# Altium PCB Печатная плата 466250_004.PcbDoc
Units mm, origin at the board's own origin, x right, y up, seen from the top; angles counter-clockwise.
Board outline 42 x 31 mm, 2 copper layers (Top Layer, Bottom Layer), stack 1.571 mm thick; 33 components, 43 nets, 205 pads, 23 vias.
Unrouted connection lines stored in the file: 6.
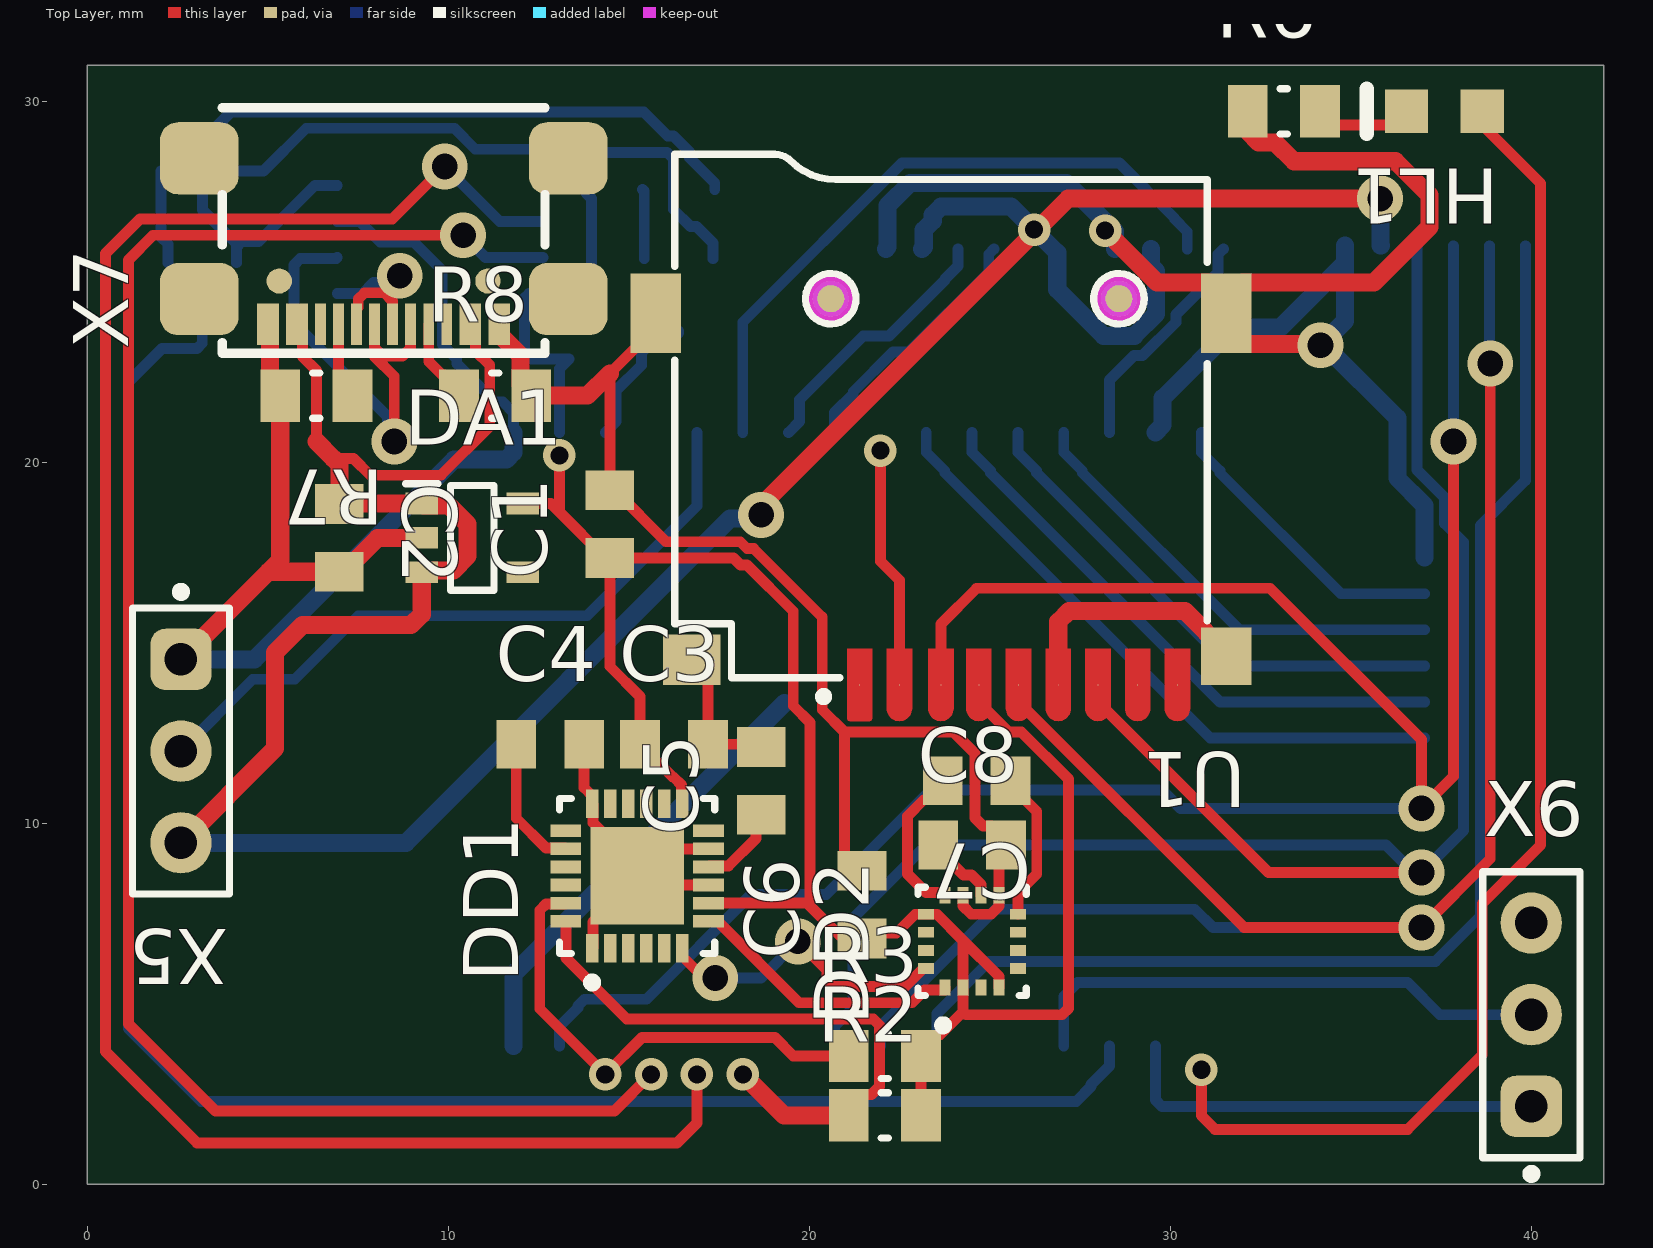
[diagram p0: Top Layer view]
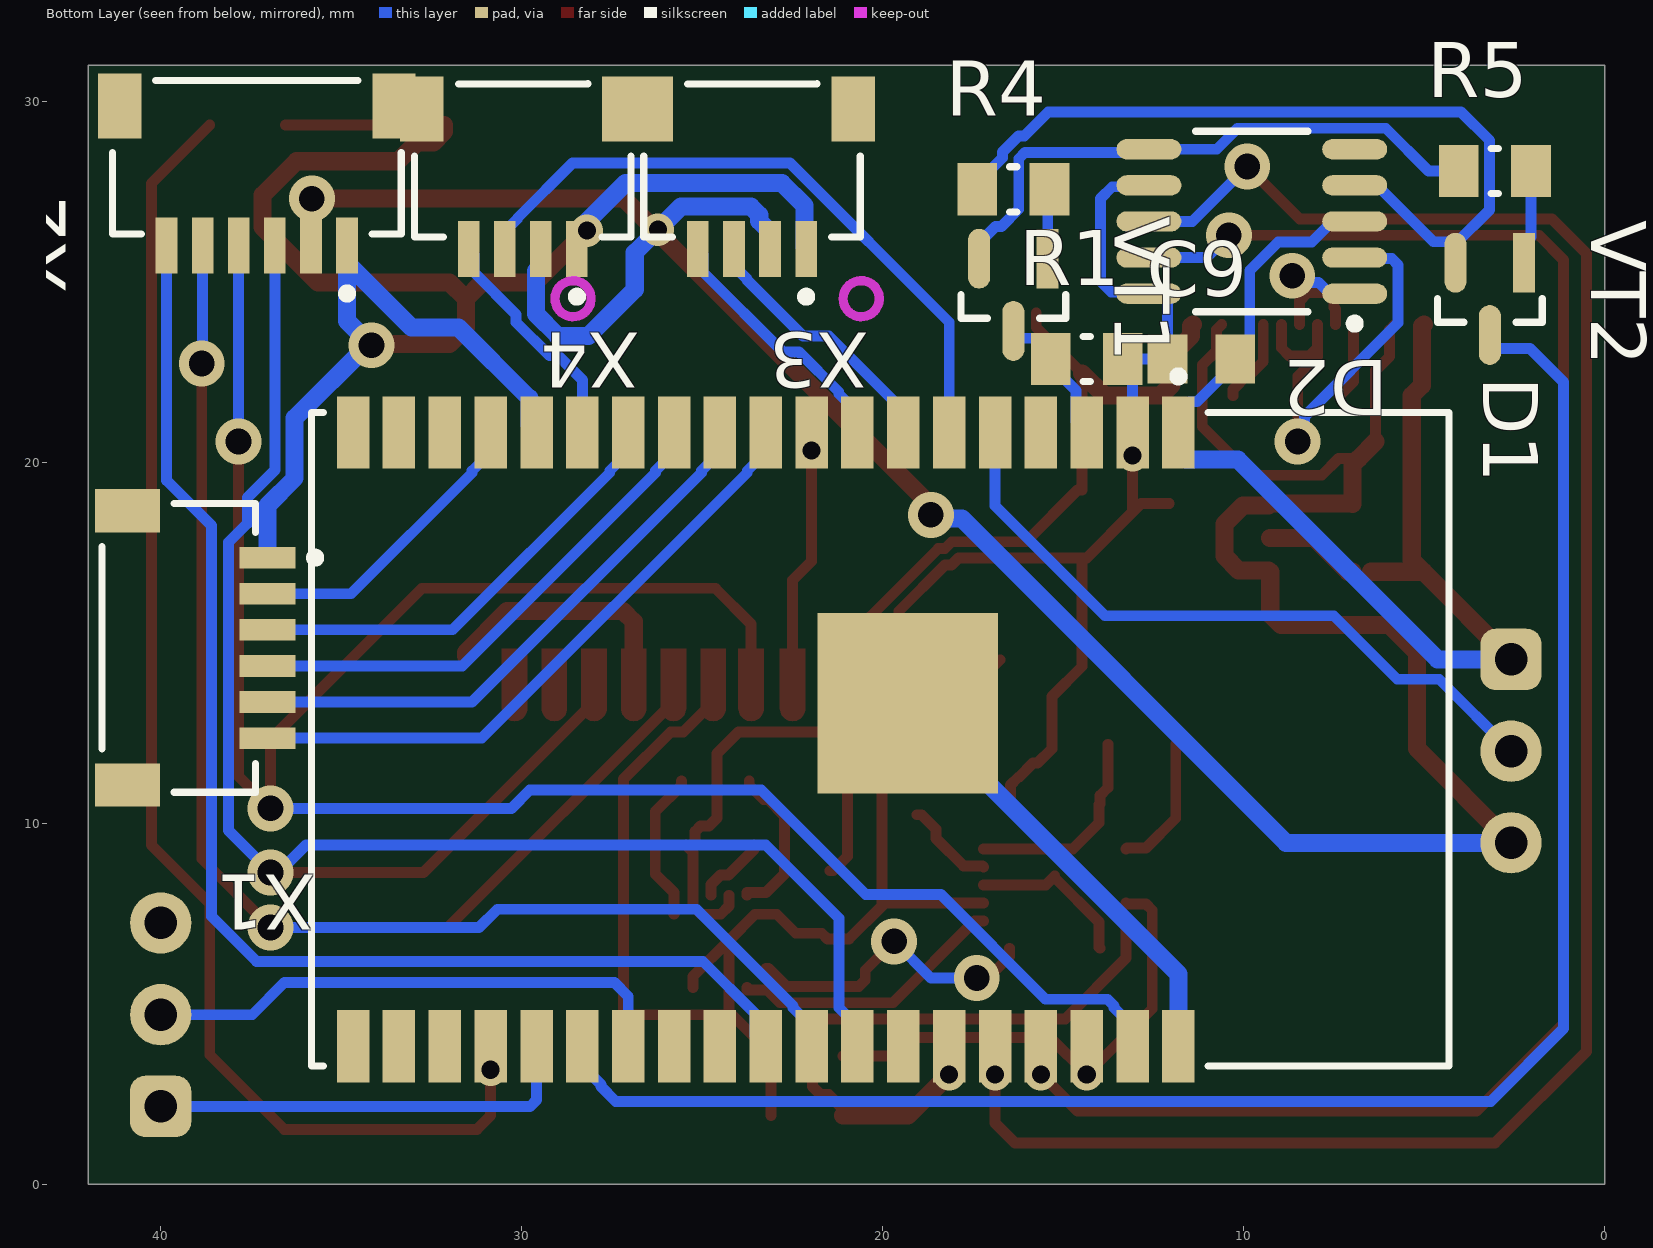
[diagram p1: Bottom Layer view, seen from below]
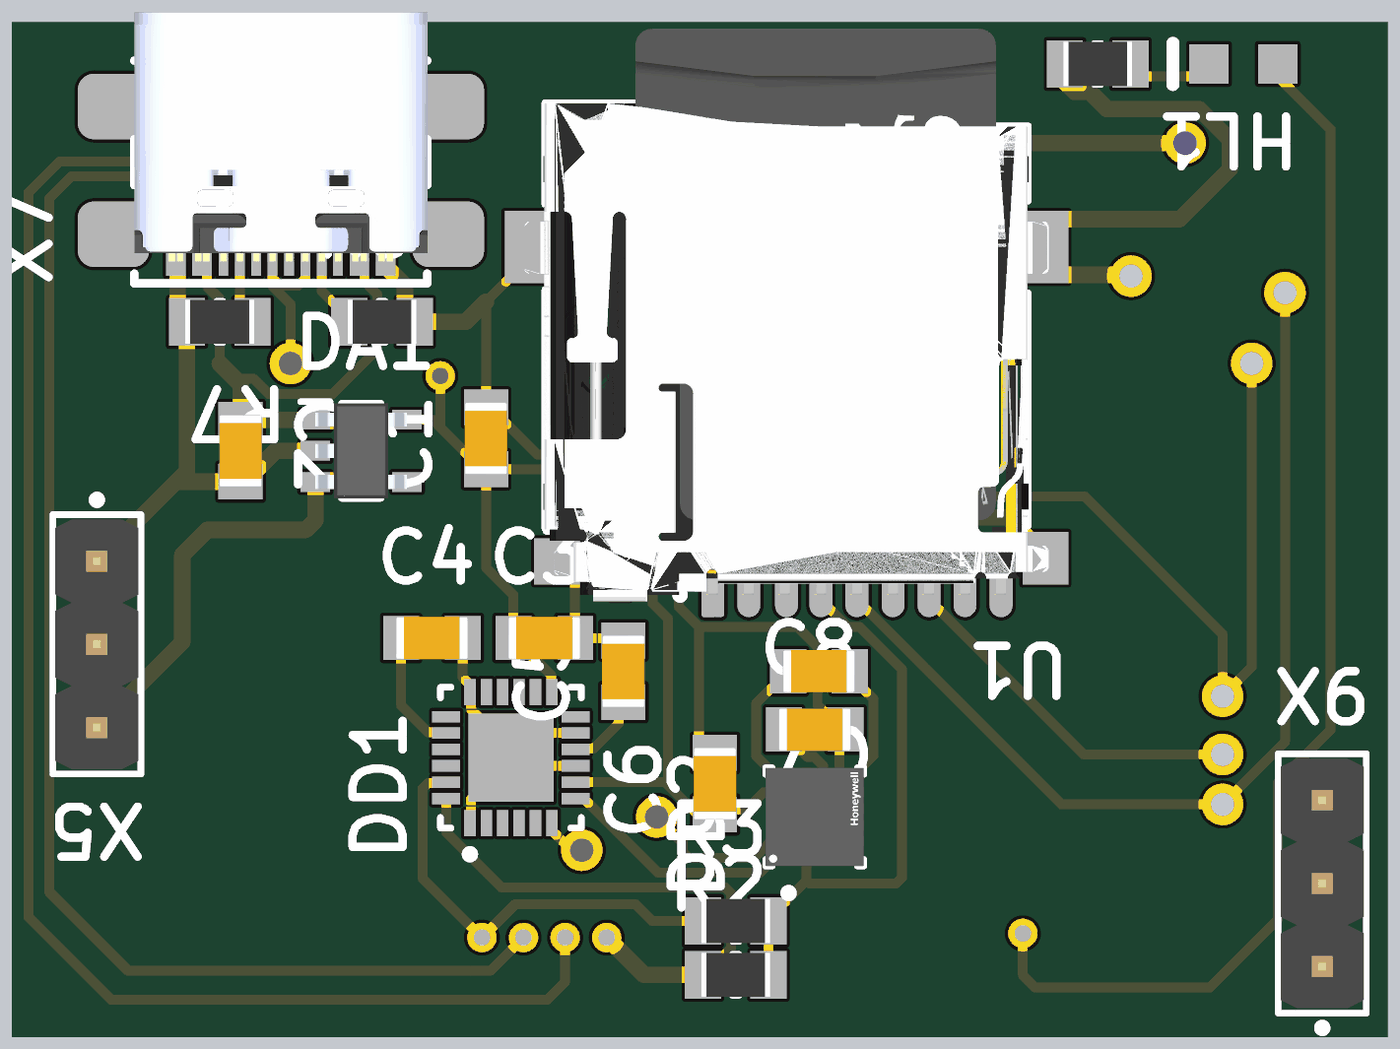
[diagram p2: 3D render of the assembled board from above, using the file's embedded part models]
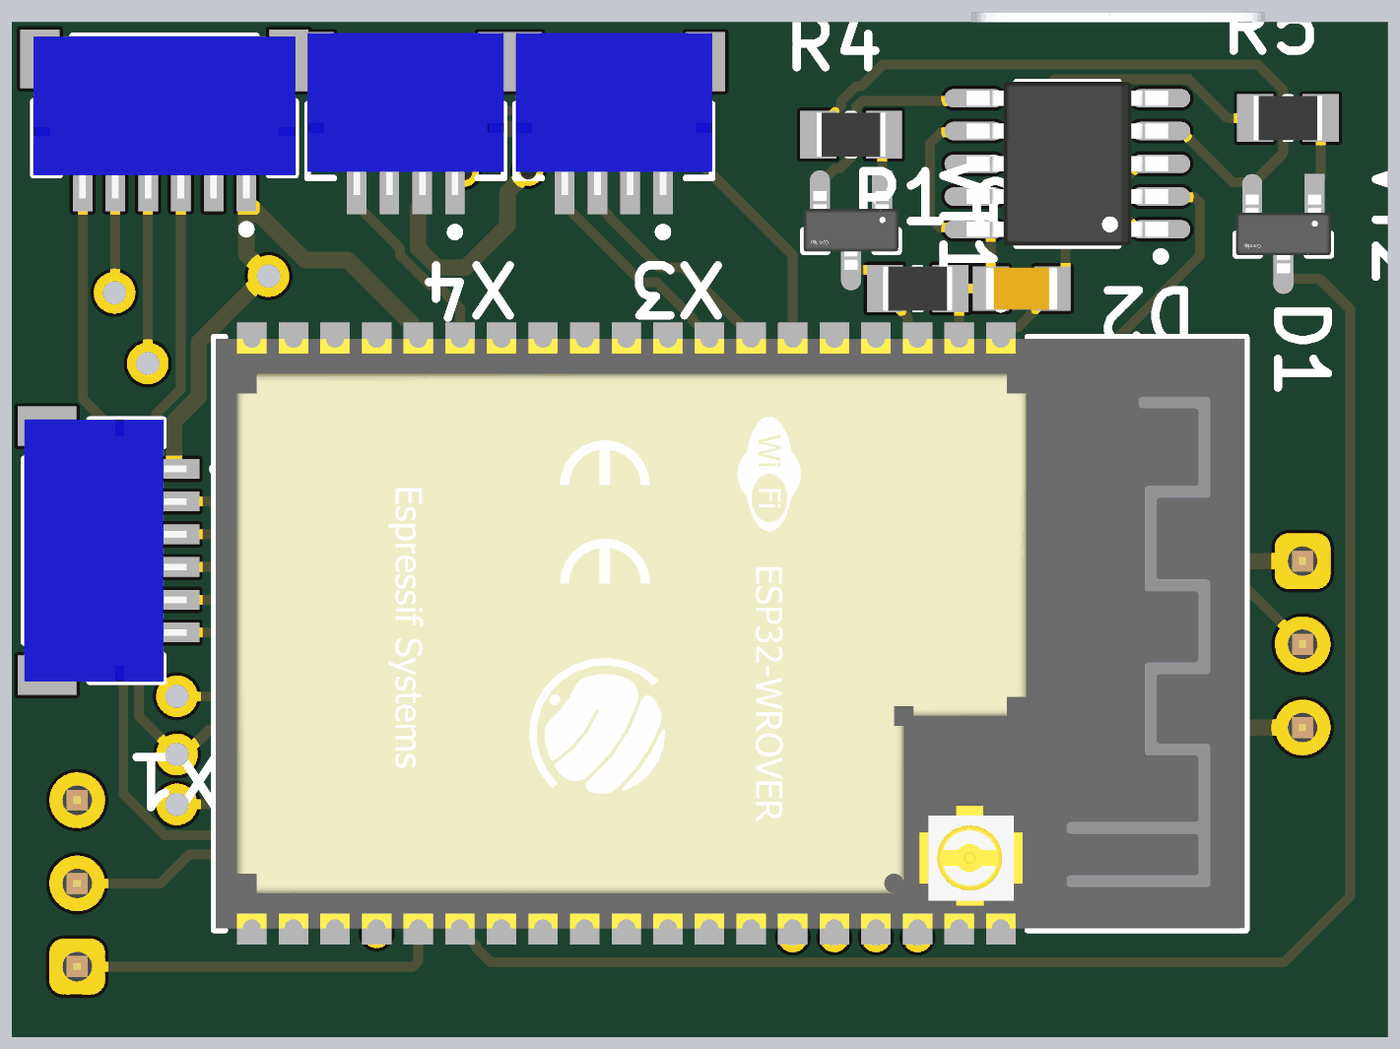
[diagram p3: 3D render of the assembled board from below, using the file's embedded part models]

## Layer stack, top to bottom
Top Layer: signal copper 0.0356
Dielectric 1: dielectric 1.5, FR-4, Dk 4.8
Bottom Layer: signal copper 0.0356

## Board outline
0,0 0,31 42,31 42,0

## Design rules (kind name [scope] priority, off if disabled: settings)
Clearance [All] p1: gap=0.15 ignorepadtopadclearanceinfootprint=FALSE
ComponentClearance [All] p1 off: gap=0.254 collisioncheckmode=3 verticalgap=0.1 showdistances=FALSE
PolygonConnect [All] p1: connectstyle=Relief reliefconductorwidth=0.254 reliefentries=4 polygonreliefangle="90 Angle" airgapwidth=0.254
RoutingVias [All] p1: holewidth=0.711 width=1.27 viastyle="Through Hole" minholewidth=0.711 minwidth=1.27 maxholewidth=0.711 maxwidth=1.27
SolderMaskExpansion [All] p1: expansion=0.102 istentingtop=FALSE
SupplyNets "Schematic Supply Nets_3" [InNet('+3.3')] p1: voltage=0.000
SupplyNets "Schematic Supply Nets_2" [InNet('GND')] p2: voltage=0.000
SupplyNets "Schematic Supply Nets" [InNet('+5')] p3: voltage=0.000
Width [All] p1: maxlimit=0.8 minlimit=0.2 preferedwidth=0.4
29 further rules are at their usual default settings.

## Components (designator, comment, footprint, x,y, rotation, side; value= is the part's Value field where it differs from the comment)
C1 "100nF" CAPC2012X10N 14.478,18.288 r90 top
C2 "10uF" CAPC2012X10N 6.985,17.907 r270 top
C3 "10uF" CAPC2012X10N 16.256,12.192 r0 top
C4 "2.2nF" CAPC2012X10N 12.827,12.192 r0 top
C5 "100nF" CAPC2012X10N 18.669,11.176 r90 top
C6 "100nF" CAPC2012X10N 21.463,7.747 r90 top
C7 "220nF" CAPC2012X10N 24.638,11.176 r180 top
C8 "4.7uF" CAPC2012X10N 24.511,9.398 r0 top
C9 "10nF" CAPC2012X10N 11.176,22.86 r180 bottom
D1 "ESP32-WROVER" FP-ESP32-WROVER-MFG 20.071,12.328 r270 bottom
D2 "CH340K" "CH340K no bed" 9.779,26.67 r0 bottom
DA1 "XC6219B332MRN" SOT95P280X130-5N 10.668,17.907 r0 top
DD1 "MPU-6050" IS-QFN-24_V 15.236,8.541 r90 top
DD2 "QMC5883L" FP-QMC5883L 24.511,6.731 r90 top
HL1 "АЛС" "LED 0805" 37.592,29.718 r180 top
R1 "10k" RES0805 14.351,22.86 r180 bottom
R2 "4.7k" RES0805 22.098,1.91 r0 top
R3 "4.7k" RES0805 22.098,3.556 r0 top
R4 "10k" RES0805 16.383,27.559 r180 bottom
R5 "10k" RES0805 3.048,28.067 r180 bottom
R6 "500" RES0805 33.147,29.718 r0 top
R7 "5.1k" RES0805 6.35,21.844 r180 top
R8 "5.1k" RES0805 11.303,21.844 r0 top
U1 "SD Card holder" "SD Card holder" 23.648,24.53 r180 top
VT1 "КТ3151" SOT-23 16.383,24.638 r270 bottom
VT2 "КТ3151" SOT-23 3.187,24.526 r270 bottom
X1 "Актуаторы" JST-SM06B-SRSS-TB_V 39.497,14.859 r270 bottom
X2 "SPI интерфейс" JST-SM06B-SRSS-TB_V 37.338,28.448 r0 bottom
X3 "GNSS UART" JST-SH04B 23.622,27.686 r0 bottom
X4 "Трансивер UART" JST-SH04B 29.972,27.686 r0 bottom
X5 "JST-3P" 61300311121 2.6,12 r270 top locked
X6 "JST-3P" 61300311121 40,4.7 r90 top locked
X7 "USB Type-C" "USB TYPE-C 12PIN" 8.216,23.819 r180 top

## Footprints (in the part's own frame and the unit in brackets; to place one, negate y for a bottom-side part, rotate by r counter-clockwise, add the part's x,y. Pads: shape width x height; smd on the part's side, far side on the other; paste and mask are expansions set on the pad)
61300311121 [mm] "Pin Header, pitch 2.54 mm, THT, Vertical, single row, 3p"
  rrect50% 1.7x1.7 hole 0.9: 1(-2.54,0)
  round 1.7 hole 0.9: 2(0,0) 3(2.54,0)
  silkscreen extent -4.53,-1.35 3.96,1.35, body extent -3.81,-1.27 3.81,1.27, height 8.57
CAPC2012X10N [mm] "Chip Capacitor, 2-Leads, Body 2,05x1,20mm, IPC Medium Density"
  rect 1.1x1.35 smd: 1(-0.94,0) 2(0.94,0)
  body extent -1.1,-0.65 1.1,0.65, height 1
"CH340K no bed" [mm] "SOP, 10-Leads, Body 5,00x3,90mm, Pitch 1,00mm, Thermal Pad 3,20x2,30mm, IPC Medium Density"
  oval 1.8x0.56 smd: 1(-2.85,2) 2(-2.85,1) 3(-2.85,0) 4(-2.85,-1) 5(-2.85,-2) 6(2.85,-2) 7(2.85,-1) 8(2.85,0) 9(2.85,1) 10(2.85,2)
  rect 2.3x3.2 on Mech1: 11(0,0)
  silkscreen extent -2.97,-2.5 1.55,2.95, body extent -3.08,-2.5 3.08,2.5, height 2
FP-ESP32-WROVER-MFG [mm]
  rect 2x0.9 smd paste+0 mask+0: 1(-8.5,8.26) 2(-8.5,6.99) 3(-8.5,5.72) 4(-8.5,4.45) 5(-8.5,3.18) 6(-8.5,1.91) 7(-8.5,0.64) 8(-8.5,-0.63) 9(-8.5,-1.9) 10(-8.5,-3.17) 11(-8.5,-4.44) 12(-8.5,-5.71) 13(-8.5,-6.98) 14(-8.5,-8.25) 15(-8.5,-9.52) 16(-8.5,-10.79) 17(-8.5,-12.06) 18(-8.5,-13.33) 19(-8.5,-14.6) 20(8.5,-14.6) 21(8.5,-13.33) 22(8.5,-12.06) 23(8.5,-10.79) 24(8.5,-9.52) 25(8.5,-8.25) 26(8.5,-6.98) 27(8.5,-5.71) 28(8.5,-4.44) 29(8.5,-3.17) 30(8.5,-1.9) 31(8.5,-0.63) 32(8.5,0.64) 33(8.5,1.91) 34(8.5,3.18) 35(8.5,4.45) 36(8.5,5.72) 37(8.5,6.99) 38(8.5,8.26)
  rect 5x5 smd paste+0 mask+0: 39(-1,0.76)
  silkscreen extent -10.17,-15.75 9.05,15.75, body extent -9,-15.7 9,15.7, height 3.4
FP-QMC5883L [mm]
  rect 0.45x0.3 smd paste+0 mask+0: 1(-1.275,0.75) 2(-1.275,0.25) 3(-1.275,-0.25) 4(-1.275,-0.75) 9(1.275,-0.75) 10(1.275,-0.25) 11(1.275,0.25) 12(1.275,0.75)
  rect 0.3x0.45 smd paste+0 mask+0: 5(-0.75,-1.275) 6(-0.25,-1.275) 7(0.25,-1.275) 8(0.75,-1.275) 13(0.75,1.275) 14(0.25,1.275) 15(-0.25,1.275) 16(-0.75,1.275)
  silkscreen extent -2.45,-1.5 1.5,1.5, body extent -1.5,-1.5 1.5,1.5, height 0.9
IS-QFN-24_V [mm] "QFN, 24-Leads, Body 4x4mm, Pitch 0.5mm, Thermal Pad 2.7x2.6mm"
  rect 0.8x0.35 smd: 1(-2,1.25) 2(-2,0.75) 3(-2,0.25) 4(-2,-0.25) 5(-2,-0.75) 6(-2,-1.25) 13(2,-1.25) 14(2,-0.75) 15(2,-0.25) 16(2,0.25) 17(2,0.75) 18(2,1.25)
  rect 0.35x0.85 smd mask+0.102: 7(-1.25,-1.975) 8(-0.75,-1.975) 9(-0.25,-1.975) 10(0.25,-1.975) 11(0.75,-1.975) 12(1.25,-1.975) 19(1.25,1.975) 20(0.75,1.975) 21(0.25,1.975) 22(-0.25,1.975) 23(-0.75,1.975) 24(-1.25,1.975)
  rect 2.7x2.6 smd: 25(0,0)
  silkscreen extent -3.07,-2.15 2.15,2.15, body extent -2,-2 2,2, height 0.95
JST-SH04B [mm]
  rect 0.6x1.55 smd paste+0 mask+0: 1(-1.5,1.775) 2(-0.5,1.775) 3(0.5,1.775) 4(1.5,1.775)
  rect 1.2x1.8 smd: MP1(-2.8,-2.1) MP2(2.794,-2.1)
  silkscreen extent -3,-2.8 3,3.22, body extent -3,-2.98 3,1.97, height 2.96
JST-SM06B-SRSS-TB_V [mm] "SMD, 6-Leads, Body 8x4.25mm, Pitch 1mm"
  rect 0.6x1.55 smd: 1(-2.5,2.45) 2(-1.5,2.45) 3(-0.5,2.45) 4(0.5,2.45) 5(1.5,2.45) 6(2.5,2.45)
  rect 1.2x1.8 smd: MP1(-3.8,-1.425) MP2(3.8,-1.425)
  silkscreen extent -4,-2.12 4,3.9, body extent -4,-2.12 4,2.83, height 2.96
"LED 0805" [mm] "SMD, 2-Leads, Body 2x1.25mm, Height 0.8mm"
  rect 1.2x1.2 smd: 1(-1.05,0) 2(1.05,0)
  silkscreen extent 2.15,-0.63 2.15,0.63, body extent -1,-0.63 1,0.63, height 0.8
RES0805 [mm] "Chip Resistor, 2-Leads, Body 2.1x1.35mm, IPC Low Density"
  rect 1.1x1.45 smd: 1(-1,0) 2(1,0)
  silkscreen extent -0.1,-0.63 0.1,0.63, body extent -1.05,-0.68 1.05,0.67, height 0.6
"SD Card holder" [mm] "Micro SD Card, TF Card, Memory Card Connector, 9-Leads, Body 16.44x15.6 mm, 1.4mm Profile SMT, Push-Push (MEM2055/MEM2075)"
  round 1 smd: 0(-4.93,0) 0(3.05,0)
  round 0.025 smd: 1(2.25,10.7) 2(1.15,10.7) 3(0,10.7) 4(-1.05,10.7) 5(-2.15,10.7) 6(-3.25,10.7) 7(-4.35,10.7) 8(-5.45,10.7) 9(-6.55,10.7)
  rect 1.4x1.6 smd: SH(-7.9,9.9)
  rect 1.4x2.2 smd: SH(-7.9,0.4) SH(7.9,0.4)
  rect 1.6x1.4 smd: SH(6.9,10)
  Top Layer circle w0.254: c3.05,0 r0.5
  Top Layer circle w0.254: c-4.93,0 r0.5
  Top Layer pour cut-out: -7.15,9.7 2.794,9.7 2.794,8.8 -7.15,8.8
  Top Layer region: 2.6,9.7 1.9,9.7 1.9,11.613 1.907,11.646 1.926,11.674 1.954,11.693 1.987,11.7 1.987,11.7 2.513,11.7 2.546,11.693 2.574,11.674 2.593,11.646 2.6,11.613 2.6,11.613
  Top Layer region: 1.5,9.7 0.8,9.7 0.8,11.35 0.827,11.484 0.903,11.597 1.016,11.673 1.15,11.7 1.15,11.7 1.284,11.673 1.397,11.597 1.473,11.484 1.5,11.35 1.5,11.35
  Top Layer region: 0.35,9.7 -0.35,9.7 -0.35,11.35 -0.323,11.484 -0.247,11.597 -0.134,11.673 0,11.7 0,11.7 0.134,11.673 0.247,11.597 0.323,11.484 0.35,11.35 0.35,11.35
  Top Layer region: -0.7,9.7 -1.4,9.7 -1.4,11.35 -1.373,11.484 -1.298,11.597 -1.184,11.673 -1.05,11.7 -1.05,11.7 -0.916,11.673 -0.803,11.597 -0.727,11.484 -0.7,11.35 -0.7,11.35
  Top Layer region: -1.8,9.7 -2.5,9.7 -2.5,11.35 -2.473,11.484 -2.398,11.597 -2.284,11.673 -2.15,11.7 -2.15,11.7 -2.016,11.673 -1.903,11.597 -1.827,11.484 -1.8,11.35 -1.8,11.35
  Top Layer region: -2.9,9.7 -3.6,9.7 -3.6,11.35 -3.573,11.484 -3.498,11.597 -3.384,11.673 -3.25,11.7 -3.25,11.7 -3.116,11.673 -3.003,11.597 -2.927,11.484 -2.9,11.35 -2.9,11.35
  Top Layer region: -4,9.7 -4.7,9.7 -4.7,11.35 -4.673,11.484 -4.597,11.597 -4.484,11.673 -4.35,11.7 -4.35,11.7 -4.216,11.673 -4.103,11.597 -4.027,11.484 -4,11.35 -4,11.35
  Top Layer region: -5.1,9.7 -5.8,9.7 -5.8,11.35 -5.773,11.484 -5.697,11.597 -5.584,11.673 -5.45,11.7 -5.45,11.7 -5.316,11.673 -5.203,11.597 -5.127,11.484 -5.1,11.35 -5.1,11.35
  Top Layer region: -6.2,9.7 -6.9,9.7 -6.9,11.35 -6.873,11.484 -6.797,11.597 -6.684,11.673 -6.55,11.7 -6.55,11.7 -6.416,11.673 -6.303,11.597 -6.227,11.484 -6.2,11.35 -6.2,11.35
  Keep-Out Layer circle w0.254: c3.05,0 r0.5
  Keep-Out Layer circle w0.254: c-4.93,0 r0.5
  silkscreen extent -7.37,-4 7.37,11.14, body extent -8,-6.26 8.05,11.27, height 1.9
SOT95P280X130-5N [mm]
  rect 0.9x0.6 smd: 1(-1.4,0.95) 2(-1.4,0) 3(-1.4,-0.95) 4(1.4,-0.95) 5(1.4,0.95)
  silkscreen extent -1.85,-1.45 0.6,1.5, body extent -1.4,-1.45 1.4,1.45, height 1.3
SOT-23 [mm]
  rect 1.657x0.612 smd paste+0 mask+0: 1(-1.001,0.95)
  rrect100% 1.657x0.612 smd paste+0 mask+0: 2(-1.001,-0.95) 3(1.001,0)
  silkscreen extent 0,-1.45 0.65,1.45, body extent -1.21,-1.45 1.21,1.45, height 1.15
"USB TYPE-C 12PIN" [mm] "Chinese USB Type-C 12 pin"
  rect 0.6x1.15 smd: 1(-3.195,0) 2(-2.395,0) 11(2.405,0) 12(3.205,0)
  rect 0.3x1.15 smd: 3(-1.745,0) 4(-1.245,0) 5(-0.745,0) 6(-0.245,0) 7(0.255,0) 8(0.755,0) 9(1.255,0) 10(1.755,0)
  round 0.7 smd: NC(-2.885,-1.2) NC(2.895,-1.2)
  rrect50% 2.18x2 smd: ""(-5.11,-0.7) ""(-5.11,-4.6) ""(5.11,-0.7) ""(5.11,-4.6)
  silkscreen extent -4.46,-6 4.48,0.8, body extent -4.47,-7.48 4.47,0.15, height 3.41

## Part data
C1 C2 C3 C4 C5 C6 C7 C8 C9: library part "Capasitor SMD"
  C1 C4 C5: ClassName=IMU
  C2 C3 C9: ClassName=Power
  C6 C7 C8: ClassName=Compass
D1: "SMD MODULE, ESP32-D0WDQ6, 32MBIT", Manufacturer="Espressif Systems", Max Frequency=2.5GHz, Max Supply Voltage=3.6V, Min Supply Voltage=2.3V, Nominal Supply Current=80mA, Temperature="-40°C to +85°C", Temperature Range High=+85°C, Temperature Range Low=-40°C, Automotive=No, Bandwidth=0.1GHz, Category=UNK, ComponentLink2Description=Datasheet, ComponentLink2URL=https://forum.upverter.com/uploads/default/original/3X/1/9/19ab4f33dd815ce1b2b0bb210f0ab7d5aab1dea3.pdf, Data Rate=150Mbits/s, Device Class L1="Integrated Circuits (ICs)", Device Class L2="RF Semiconductors and Devices", Device Class L3=Transceivers, Digikey Description="SMD MODULE, ESP32-D0WDQ6, 32MBIT", Height=3.4mm, Interface=I2C,SPI,UART,I2S,Other, Lead Free=Yes, Manufacturer Part Number=ESP32-WROVER, Mouser Description="Bluetooth and Wi-Fi Module 2.4GHz to 2.5GHz 2.3V to 3.6V 38-Pin SMD Module", Number Of Adc Channels=16, Number Of Gpio=20, Octopart=https://octopart.com/esp32-wrover-espressif+systems-89171348, Package=ESP32-WROVER, RoHS=TRUE, Sensitivity=-98dBm
D2: "USB-RS232 ESSOP10"
DA1: "Voltage stabilizer 3.3v 350mA", Manufacturer_Name=Torex, ClassName=Power, Datasheet Link=https://componentsearchengine.com/Datasheets/2/XC6219B332MRN.pdf, Height=1.3mm, Manufacturer_Part_Number=XC6219B332MRN
DD1: "3-Axis Gyroscope, Accelerometer and a Digital Motion Processor(TM) (DMP), 2.375 to 3.46 V, -40 to 85 degC, 24-Pin QFN, RoHS, Tape and Reel", Manufacturer=InvenSense, Standard Package=5,000, Category=Sensors,Transducers, ClassName=IMU, Datasheet URL=http://datasheet.octopart.com/MPU-6050-InvenSense-datasheet-14421344.pdf, Datasheet Version="Rev. 3.3, 05/2012", Dynamic Catalog=MPU-6000™Series, Family=Multifunction, Featured Product=MPU-60506-Axis,IntegratedI²CSolution, Manufacturer URL=http://www.invensense.com/, Online Catalog=MPU-6000™Series, Other Names="1428-1007-2 / MPU6050", Output Type=Digital, Sensor Type=MotionTracking, Unit PriceUSD=Digital
DD2: "SENSOR MR I2C 16LCC", Case/Package=LCC, Max Operating Temperature=85°C, Max Supply Voltage=3.6V, Min Operating Temperature=-30°C, Min Supply Voltage=2.16V, Operating Supply Current=100uA, Operating Supply Voltage=2.5V, Package Quantity=4000, ClassName=Compass, Interface=I2C, Number of Pins=16, Packaging="Tape and Reel", Radiation Hardening=No, REACH SVHC="No SVHC"
HL1: library part Светодиод
R1 R2 R3 R4 R5 R6 R7 R8: library part "Резистор SMD", "SMD resistors with differents footprints"
VT1 VT2: library part "NPN транзистор", "NPN TRANSISTOR", Case/Package=TO-236-3, Collector Emitter Breakdown Voltage=25V, Collector Emitter Voltage (VCEO)=400mV, Max Collector Current=1.5A, Max Power Dissipation=300mW, Transition Frequency=100MHz, Max Breakdown Voltage=25V, Mount="Surface Mount", Packaging="Tape and Reel", RoHS Compliant=Yes
X1: library part JST-SH1.0-8, Net1=GND, Net2="Мотор 1", Net3="Серво 1", Net4="Серво 2", Net5="Серво 3", Net6="Серво 4", Net7=-, Net8="Изм. тока"
X2: library part JST-6P, "JST type connector"
X3 X4: library part JST-SH1.0-4, Net1=GND, Net2=+5V, Net3=RX, Net4=TX
X5 X6: "JST type connector"
  X5: Net1=GND, Net2=Voltage, Net3=+5V
  X6: Net1="I2C SDA", Net2="I2C SCL", Net3=NC
X7: library part "USB Type-C 12pin", "USB-C socket 12 pin        16Pin (12pin + 4 mount) Horizontal                 https://aliexpress.ru/item/1005006353547160.html?spm=a2g2w.orderdetail.0.0.5a244aa6hfTm5W&sku_id=12000041186006182"

## Via types
v1: diameter 1.27, hole 0.711, Top Layer to Bottom Layer, 14 vias
v2: diameter 0.9, hole 0.5, Top Layer to Bottom Layer, 9 vias

## Nets (pads, with @x,y where several pads share a name; then routed paths per layer and width w, separated by ;. In a path a pad name is that pad's centre, name@x,y a point inside that pad or via, vN(x,y) a via of type N, cw(c..) or ccw(c..) an arc to the next point about the centre after c; other vN are vias at no path point)
+3.3: C1.1 C3.1 C6.1 C9.1 D1.2 D2.7 D2.10 DA1.5 DD1.8 DD1.13 DD2.2 DD2.4 DD2.13 R1.2 R2.2 R3.2 U1.4 | length 65.6
  Top Layer w0.3: DA1.5 12.844,18.857 13.081,18.62 ; v2(13.081,20.193) 13.081,18.62 ; DD1.13 16.461,10.566 16.461,11.065 16.249,11.277 16.231,11.277 15.841,11.667 15.716,11.667 15.316,12.067 C3.1 15.316,13.513 14.478,14.351 C1.1 ; DD1.8 19.947,7.791 20.025,7.713 ; R2.2 R3.2 23.098,3.731 23.498,4.131 23.611,4.131 24.261,4.781 ; U1.4 24.698,13.361 25.529,12.53 25.873,12.53 27.178,11.225 27.178,4.875 27.002,4.699 24.343,4.699 24.261,4.781 ; DD2.4 25.261,5.755 24.261,6.755 ; 13.081,18.62 14.353,17.348 C1.1 ; C1.1 17.904,17.348 18.095,17.157 18.276,17.157 19.558,15.875 19.558,13.257 20.025,12.79 20.025,7.713 ; 20.025,7.713 20.938,6.8 20.938,6.799 21.531,6.799 21.689,6.957 22.412,6.957 22.937,7.481 DD2.13 23.535,7.481 24.261,6.755 ; 24.261,4.781 DD2.2 24.261,6.755
  Bottom Layer w0.3: D2.7 12.667,27.632 13.643,27.632 13.97,27.305 13.97,25.019 13.671,24.72 12.679,24.72 D2.10 12.236,24.67 12.116,24.55 C9.1 R1.2 13.081,22.59 D1.2
+5: C2.1 DA1.1 DA1.3 X2.2 X3.2 X4.2 X5.3 X7.2 X7.11 | length 85.4
  Top Layer w0.3: X7.11 5.961,23.669 5.961,22.932 6.35,22.543 6.35,20.574 ; 6.817,20.107 7.375,20.107 7.842,19.639 9.797,19.639 11.153,20.995 11.153,22.693 10.761,23.085 10.761,23.669 X7.2
  Top Layer w0.5: X5.3 5.207,12.067 5.207,14.732 5.969,15.494 8.975,15.494 9.268,15.787 DA1.3 9.318,17.007 10.149,17.007 10.541,17.399 10.541,18.288 10.022,18.807 9.318,18.807 DA1.1 9.263,18.852 6.99,18.852 C2.1 6.985,19.939 6.817,20.107 6.35,20.574 ; v1(18.669,18.542) 18.669,18.796 27.175,27.302 v1(35.814,27.302)
  Bottom Layer w0.5: X5.3 8.825,9.46 17.809,18.444 18.571,18.444 v1(18.669,18.542) ; X3.2 23.172,25.961 23.172,26.436 23.422,26.686 23.422,26.852 23.656,27.086 25.588,27.086 26.87,25.804 26.87,24.785 28.153,23.503 29.003,23.503 29.605,24.105 29.605,25.303 29.472,25.436 X4.2 ; v1(35.814,27.302) 35.826,27.29 35.826,26.01 X2.2
  other v2: 26.229,26.445
BOOT: D1.25 VT2.3 | length 49.6
  Bottom Layer w0.3: VT2.3 3.187,23.298 3.043,23.153 2.071,23.153 1.143,22.225 1.143,4.318 3.163,2.298 27.395,2.298 27.809,2.712 27.809,2.766 28.321,3.278 D1.25
CS: D1.29 X2.6 | length 36.3
  Bottom Layer w0.3: D1.29 23.541,4.128 23.541,4.732 24.986,6.177 37.344,6.177 38.591,7.424 38.591,18.252 39.838,19.499 X2.6
D+: D2.1 X7.6 X7.8 | length 5.1
  Top Layer w0.3: X7.8 7.461,24.244 7.511,24.294 7.511,24.518 7.687,24.694 v1@8.236,24.694 ; X7.6 8.461,24.468 v1@8.236,24.694 ; v1(8.659,25.164) 8.659,25.117 v1@8.236,24.694
  Bottom Layer w0.3: D2.1 7.619,24.67 7.928,24.978 8.473,24.978 v1(8.659,25.164)
D-: D2.2 X7.5 X7.7 | length 12.6
  Top Layer w0.3: X7.7 7.961,23.17 ; v1(8.509,20.574) 8.509,22.384 7.961,22.932 7.961,23.17 ; X7.5 8.961,23.17 8.736,22.944 8.187,22.944 7.961,23.17
  Bottom Layer w0.3: D2.2 6.901,25.642 5.905,25.642 5.729,25.466 5.729,23.862 8.323,21.268 8.323,20.76 v1(8.509,20.574)
DTR: D2.4 R4.1 VT2.2 | length 22.9
  Bottom Layer w0.3: VT2.2 VT2.2@4.137,25.965 ; D2.4 6.309,27.67 4.748,26.109 4.281,26.109 VT2.2@4.137,25.965 ; R4.1 17.383,27.734 16.683,28.434 16.683,28.595 16.244,29.034 16.083,29.034 15.417,29.7 3.982,29.7 3.198,28.916 3.198,26.989 4.137,26.049 VT2.2@4.137,25.965
EN: D1.3 R1.1 VT1.3 | length 3.9
  Bottom Layer w0.3: D1.3 14.651,21.128 14.651,21.985 15.351,22.685 R1.1 15.351,23.035 15.751,23.435 16.239,23.435 16.383,23.579 VT1.3
G_RX: D1.7 X3.3 | length 7.4
  Bottom Layer w0.3: D1.7 19.731,21.128 19.731,21.732 21.499,23.5 22.21,23.5 23.758,25.048 23.758,25.072 24.122,25.436 X3.3
G_TX: D1.8 X3.4 | length 7.2
  Bottom Layer w0.3: D1.8 20.701,21.378 21.221,21.898 21.221,21.952 22.319,23.05 22.76,23.05 24.972,25.262 24.972,25.761 X3.4
GND: C1.2 C2.2 C3.2 C4.2 C5.2 C6.2 C8.2 C9.2 D1.1 D1.15 D1.38 D1.39 D2.3 DA1.2 DD1.1 DD1.9 DD1.11 DD1.18 DD1.25 DD2.9 DD2.11 R6.1 R7.2 R8.2 U1.6 U1.SH X1.1 X2.1 X3.1 X4.1 X5.1 X7.1 X7.12 | length 152.8
  Top Layer w0.3: C4.2 13.767,10.985 13.986,10.766 DD1.18 14.011,10.516 14.011,10.017 14.737,9.291 DD1.11 ; DD1.1 14.011,6.566 14.011,7.266 15.236,8.491 DD1.25 15.486,8.291 DD1.9 ; U1.SH@15.748,24.13 15.748,23.73 14.478,22.46 C1.2 14.603,19.228 16.033,17.798 18.091,17.798 18.282,17.607 18.462,17.607 20.36,15.71 20.36,13.145 20.975,12.53 ; U1.SH@16.748,14.53 17.196,14.082 C3.2 18.974,12.192 C5.2@19.05,12.116 ; C6.2 21.375,8.687 20.975,9.087 20.975,12.53 ; DD2.11 24.261,7.707 24.487,7.481 25.035,7.481 25.261,7.707 DD2.9 25.261,9.208 C8.2 ; C8.2@25.197,9.398 25.197,9.777 25.051,9.923 24.814,9.923 24.593,10.144 24.593,11.93 23.993,12.53 20.975,12.53
  Top Layer w0.5: X5.1 5.027,16.967 ; X7.12 5.061,23.769 5.061,22.133 R7.2 5.35,17.29 5.027,16.967 ; C2.2@6.477,16.967 5.027,16.967 ; C2.2 7.11,16.967 8.05,17.907 DA1.2 ; X7.1 11.461,23.769 11.461,23.494 12.003,22.952 12.003,22.144 R8.2 13.862,21.844 14.478,22.46 ; U1.6 26.898,15.582 27.191,15.875 30.403,15.875 31.548,14.73 U1.SH@31.548,14.63 ; v2(28.194,26.416) 29.63,24.98 31.098,24.98 U1.SH@31.548,24.53 ; R6.1@32.147,29.337 32.147,29.162 32.447,28.862 32.904,28.862 33.429,28.337 36.243,28.337 37.184,27.396 37.184,26.516 35.648,24.98 31.998,24.98 U1.SH@31.548,24.53 ; v1(34.163,23.241) 34.124,23.28 31.998,23.28 31.548,23.73 31.548,24.13 U1.SH@31.548,24.53
  Bottom Layer w0.3: D2.3 7.549,26.67 8.12,26.099 9.046,26.099 9.836,25.309 9.836,23.26 C9.2 10.236,22.735 11.293,21.678 11.511,21.678 11.811,21.378 D1.1
  Bottom Layer w0.5: X5.1 4.63,14.54 10.168,20.078 11.611,20.078 11.811,20.278 D1.1 ; D1.38 11.811,5.828 D1.39 ; X3.1 22.172,25.961 22.172,27.109 22.799,27.736 27.122,27.736 28.472,26.386 X4.1 ; D1.15 29.791,21.028 29.791,21.774 31.751,23.733 33.048,23.733 X2.1@34.838,25.523 ; v1(34.163,23.241) 34.838,23.916 X2.1@34.838,25.523 ; v1@34.29,23.225 36.288,21.227 36.288,19.558 37.047,18.799 X1.1 ; X2.1 X2.1@34.838,25.523
LED: D1.23 HL1.1 | length 37.2
  Top Layer w0.3: v2(30.861,3.175) 30.861,1.905 31.242,1.524 36.576,1.524 38.642,3.59 38.642,7.781 40.259,9.398 40.259,27.72 HL1.1@38.642,29.337
M1: D1.16 X1.2 | length 8.4
  Bottom Layer w0.3: D1.16 30.861,20.278 31.373,19.766 31.373,19.712 34.726,16.359 X1.2
M2: D1.13 X1.3 | length 12.6
  Bottom Layer w0.3: D1.13 27.051,20.278 27.563,19.766 27.563,19.712 31.916,15.359 X1.3
M3: D1.12 X1.4 | length 14.3
  Bottom Layer w0.3: D1.12 25.781,20.278 26.293,19.766 26.293,19.712 31.646,14.359 X1.4
M4: D1.11 X1.5 | length 16
  Bottom Layer w0.3: D1.11 24.511,20.278 25.023,19.766 25.023,19.712 31.376,13.359 X1.5
M5: D1.10 X1.6 | length 17.7
  Bottom Layer w0.3: D1.10 23.241,20.278 23.753,19.766 23.753,19.712 31.106,12.359 X1.6
NetC4_1: C4.1 DD1.20 | length 3.8
  Top Layer w0.3: C4.1 11.887,10.141 12.712,9.316 13.236,9.316 DD1.20
NetC5_1: C5.1 DD1.10 | length 2.6
  Top Layer w0.3: DD1.10 17.236,8.816 17.76,8.816 18.525,9.581 18.525,9.836 18.925,10.236 C5.1@19.05,10.236
NetC7_1: C7.1 DD2.8 | length 4.2
  Top Layer w0.3: C7.1 25.578,11.051 26.301,10.328 26.301,8.599 25.786,8.084 DD2.8
NetC7_2: C7.2 DD2.12 | length 4.4
  Top Layer w0.3: C7.2 23.698,11.051 23.298,10.651 23.175,10.651 22.721,10.197 22.721,8.599 23.239,8.081 23.761,8.081 DD2.12
NetC8_1: C8.1 DD2.10 | length 2
  Top Layer w0.3: C8.1 23.571,9.273 24.277,8.567 24.499,8.567 24.761,8.305 DD2.10
NetHL1_2: HL1.2 R6.2 | length 2.4
  Top Layer w0.3: R6.2@34.147,29.337 HL1.2@36.542,29.337
NetR4_2: R4.2 VT1.1 | length 1.9
  Bottom Layer w0.3: R4.2 15.433,27.509 VT1.1
NetR5_2: R5.2 VT2.1 | length 2.6
  Bottom Layer w0.3: R5.2 2.048,26.239 2.237,26.049 VT2.1
NetR7_1: R7.1 X7.9 | length 2.1
  Top Layer w0.3: X7.9 6.961,22.233 R7.1
NetR8_1: R8.1 X7.4 | length 2.4
  Top Layer w0.3: X7.4 9.461,22.794 9.836,22.419 9.903,22.419 10.303,22.019 R8.1
R_RX: D1.6 X4.3 | length 18.5
  Bottom Layer w0.3: D1.6 18.161,23.876 22.571,28.286 28.596,28.286 30.108,26.774 30.108,26.75 30.472,26.386 X4.3
R_TX: D1.14 X4.4 | length 6.5
  Bottom Layer w0.3: D1.14 28.321,22.278 28.996,22.953 29.231,22.953 30.155,23.877 30.155,24.095 31.322,25.262 31.322,25.761 X4.4
RTS: D2.6 R5.1 VT1.2 | length 16.3
  Bottom Layer w0.3: R5.1 4.886,28.067 6.069,29.25 10.172,29.25 10.752,28.67 D2.6 13.319,28.67 13.405,28.584 16.057,28.584 16.233,28.408 16.233,27.01 16.709,26.534 16.876,26.534 17.333,26.077 VT1.2
RX0: D1.34 D2.8 | length 54.9
  Top Layer w0.3: v1(9.906,28.194) 8.451,26.739 1.465,26.739 0.508,25.782 0.508,3.683 3.048,1.143 16.334,1.143 16.891,1.7 v2(16.891,3.048)
  Bottom Layer w0.3: v1(9.906,28.194) 11.43,26.67 D2.8
SCK: D1.30 U1.5 X2.5 | length 51.1
  Top Layer w0.3: U1.5 25.688,13.72 25.688,13.471 32.047,7.112 v1(36.957,7.112) 38.862,9.017 v1(38.862,22.733)
  Bottom Layer w0.3: D1.30 21.971,4.378 22.483,4.89 22.483,4.944 25.159,7.62 30.673,7.62 31.181,7.112 v1(36.957,7.112) ; X2.5 38.838,22.757 v1(38.862,22.733)
SCL1: D1.36 DD1.23 R3.1 | length 13.5
  Top Layer w0.3: DD1.23 13.236,7.766 12.712,7.766 12.536,7.59 12.536,4.863 v2(14.351,3.048) 15.367,4.064 19.05,4.064 19.558,3.556 R3.1
SCL2: D1.26 X6.2 | length 14.9
  Bottom Layer w0.3: D1.26 27.051,5.207 27.432,5.588 36.575,5.588 37.463,4.7 X6.2
SCL_FIFO: DD1.7 DD2.1 | length 7.7
  Top Layer w0.3: DD1.7 17.461,7.291 19.721,5.031 22.847,5.031 23.197,5.381 23.761,5.381 DD2.1
SD_CS: D1.9 U1.2 | length 6.7
  Top Layer w0.3: v2(21.971,20.32) 21.971,17.257 22.498,16.73 U1.2
SDA1: D1.33 DD1.24 R2.1 | length 16.9
  Top Layer w0.3: DD1.24 13.261,6.267 14.947,4.581 21.772,4.581 21.948,4.405 21.948,2.707 21.726,2.485 21.498,2.485 21.098,2.085 R2.1
  Top Layer w0.5: v2(18.161,3.048) 19.299,1.91 R2.1
SDA2: D1.24 X6.1 | length 12
  Bottom Layer w0.3: D1.24 29.591,2.336 29.767,2.16 X6.1
SDA_FIFO: DD1.6 DD2.16 | length 8.5
  Top Layer w0.3: DD1.6 16.486,6.316 16.901,5.901 17.213,5.901 v1(17.399,5.715) ; v1(19.685,6.731) 20.488,5.928 20.488,5.657 20.664,5.481 22.661,5.481 23.161,5.981 DD2.16
  Bottom Layer w0.3: v1(17.399,5.715) 18.669,5.715 v1(19.685,6.731)
SDI: D1.31 U1.7 X2.3 | length 50.4
  Top Layer w0.3: U1.7 27.998,13.361 32.723,8.636 v1(36.957,8.636)
  Bottom Layer w0.3: D1.31 20.701,4.378 21.213,4.89 21.213,7.37 23.241,9.398 35.972,9.398 36.734,8.636 v1(36.957,8.636) 38.122,9.801 38.122,17.783 37.597,18.308 37.597,19.027 36.838,19.786 X2.3
SDO: D1.37 U1.3 X2.4 | length 62.4
  Top Layer w0.3: U1.3 23.648,15.52 24.638,16.51 32.766,16.51 36.957,12.319 v1(36.957,10.414) 37.846,11.303 v1(37.846,20.574)
  Bottom Layer w0.3: D1.37 13.081,4.378 13.593,4.89 13.593,4.944 13.777,5.128 15.49,5.128 18.387,8.025 20.471,8.025 23.368,10.922 29.777,10.922 30.285,10.414 v1(36.957,10.414) ; X2.4 37.842,25.994 37.842,20.578 v1(37.846,20.574)
TX0: D1.35 D2.9 | length 49.1
  Top Layer w0.3: v1(10.414,26.289) 1.827,26.289 1.143,25.605 1.143,4.445 3.556,2.032 14.605,2.032 v2(15.621,3.048)
  Bottom Layer w0.3: v1(10.414,26.289) 11.033,25.67 D2.9
Vbat: D1.5 X5.2 | length 19.1
  Bottom Layer w0.3: X5.2 4.59,13.99 5.751,13.99 7.509,15.748 13.843,15.748 16.891,18.796 D1.5
pads on no net: D1.4 D1.17 D1.18 D1.19 D1.20 D1.21 D1.22 D1.27 D1.28 D1.32 D2.5 D2.11 DA1.4 DD1.2 DD1.3 DD1.4 DD1.5 DD1.12 DD1.14 DD1.15 DD1.16 DD1.17 DD1.19 DD1.21 DD1.22 DD2.3 DD2.5 DD2.6 DD2.7 DD2.14 DD2.15 U1.0 U1.1 U1.8 U1.9 X1.MP1 X1.MP2 X2.MP1 X2.MP2 X3.MP1 X3.MP2 X4.MP1 X4.MP2 X6.3 X7. X7.3 X7.10 X7.NC

## Silkscreen, mask and mechanical layers (free items; w line width, h text height)
Mechanical 1:
  circle w0.254: c40,2.16 r1.42
  circle w0.254: c2.6,9.46 r1.368
  lines w0.254: 0,0 42,0 42,31 0,31 0,0